# Altium PCB PCB1.PcbDoc
Units mm, origin at the board's own origin, x right, y up, seen from the top; angles counter-clockwise.
Board outline 100.13 x 59.87 mm, 2 copper layers (Top Layer, Bottom Layer); 152 components, 63 nets, 403 pads, 72 vias.
Unrouted connection lines stored in the file: 55.
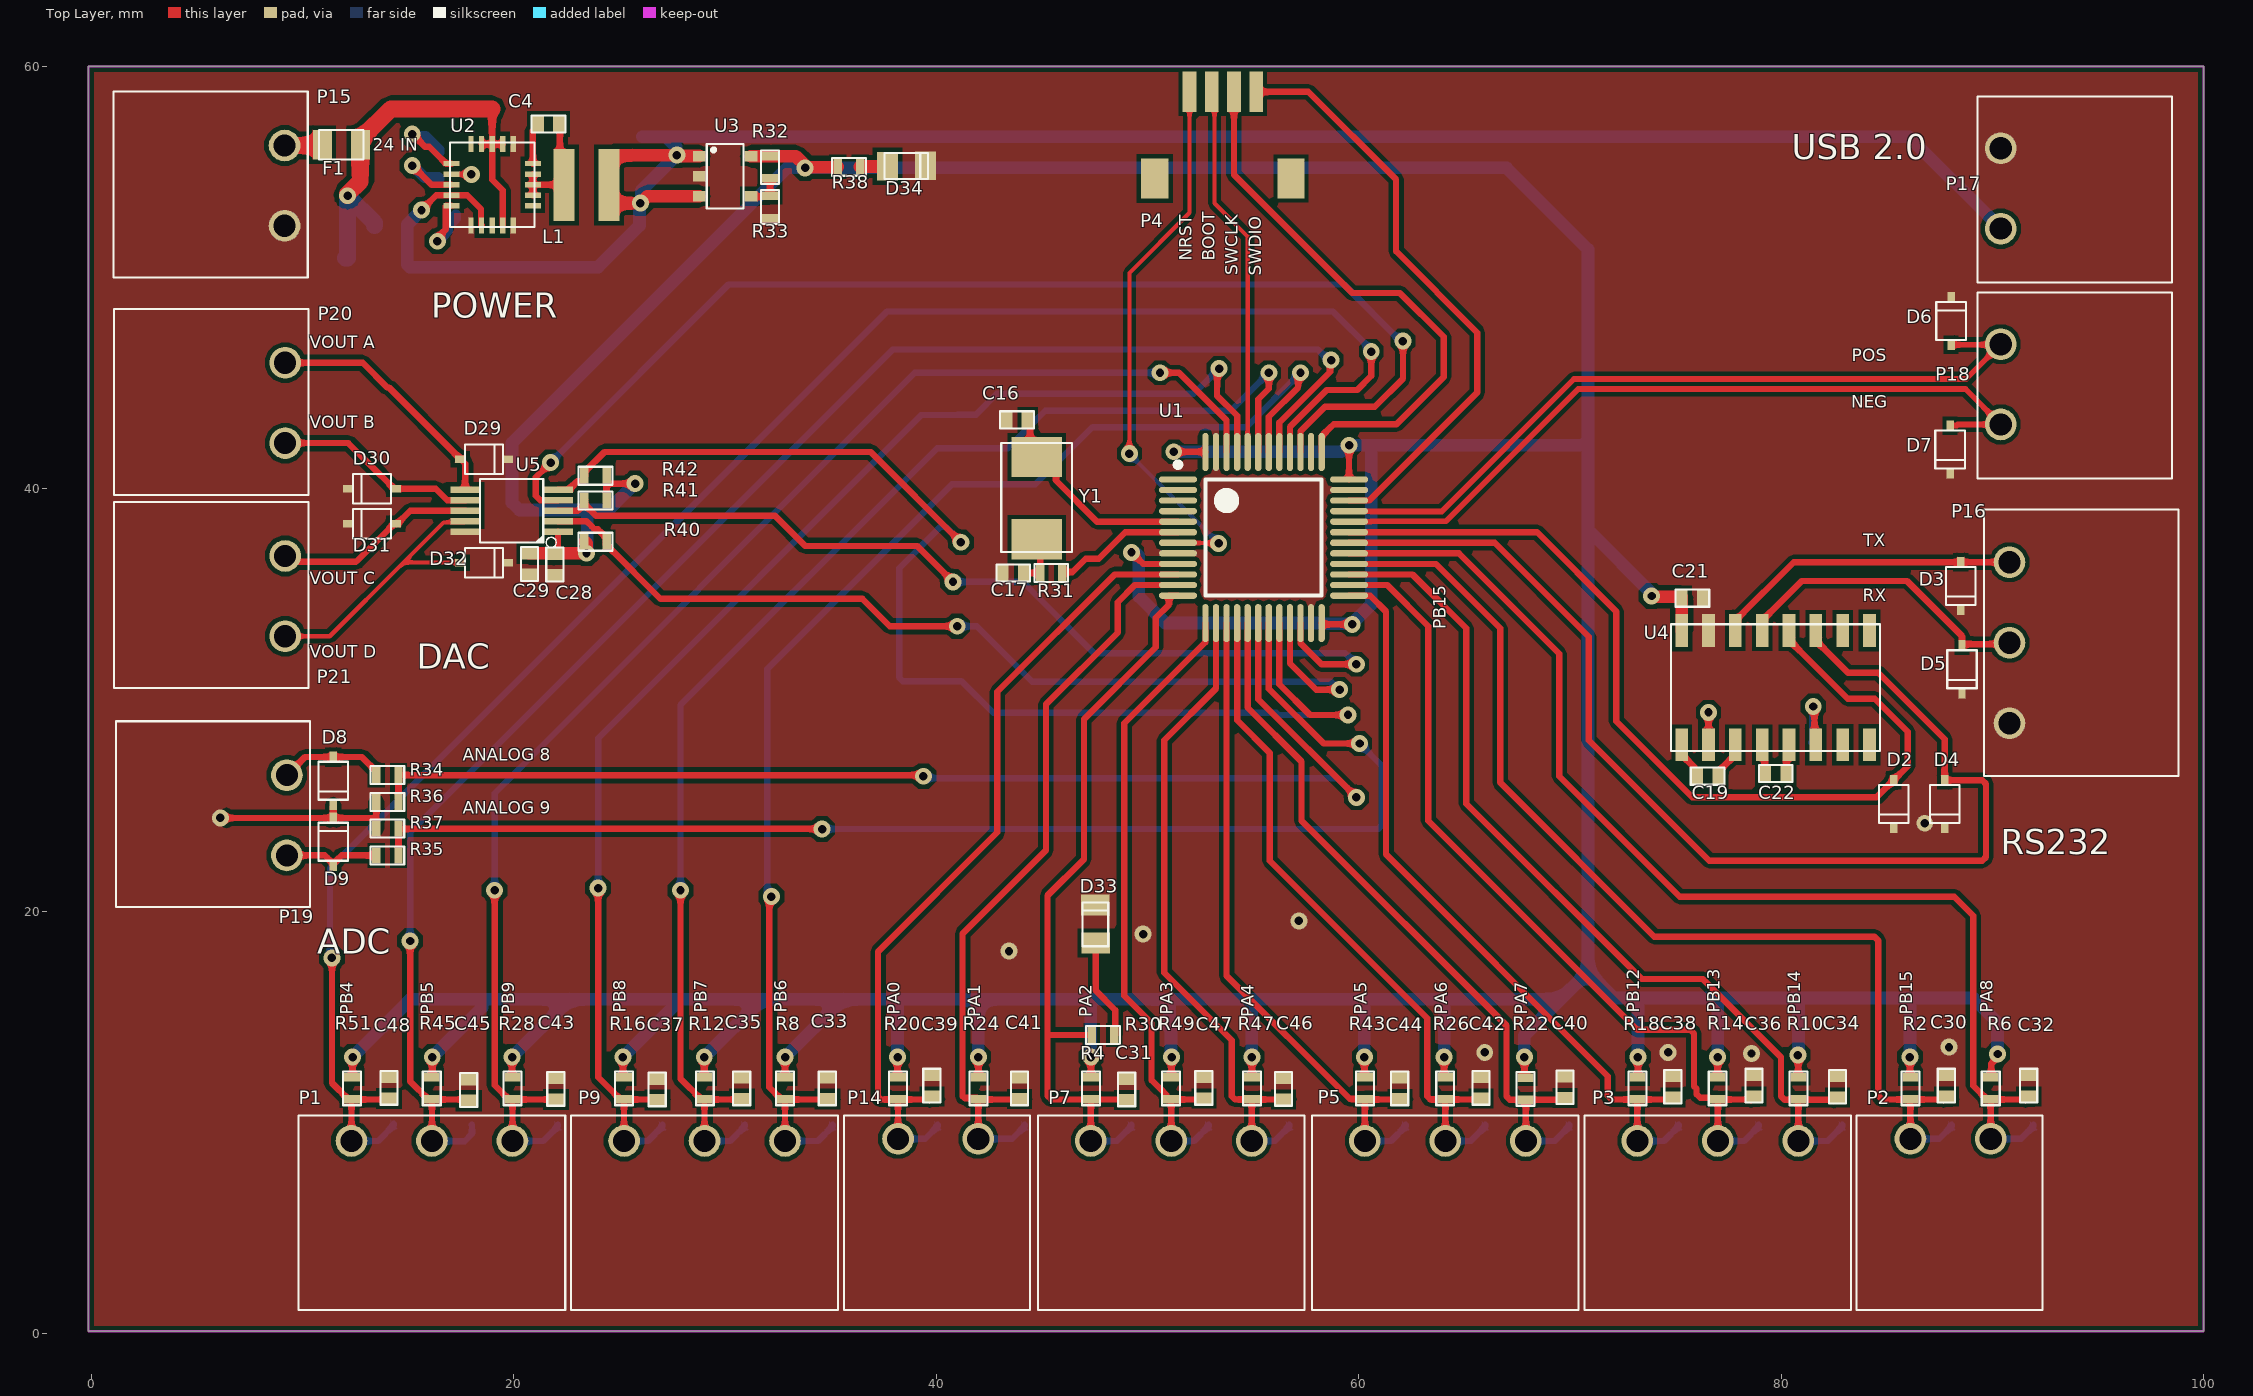
[diagram p0: Top Layer view]
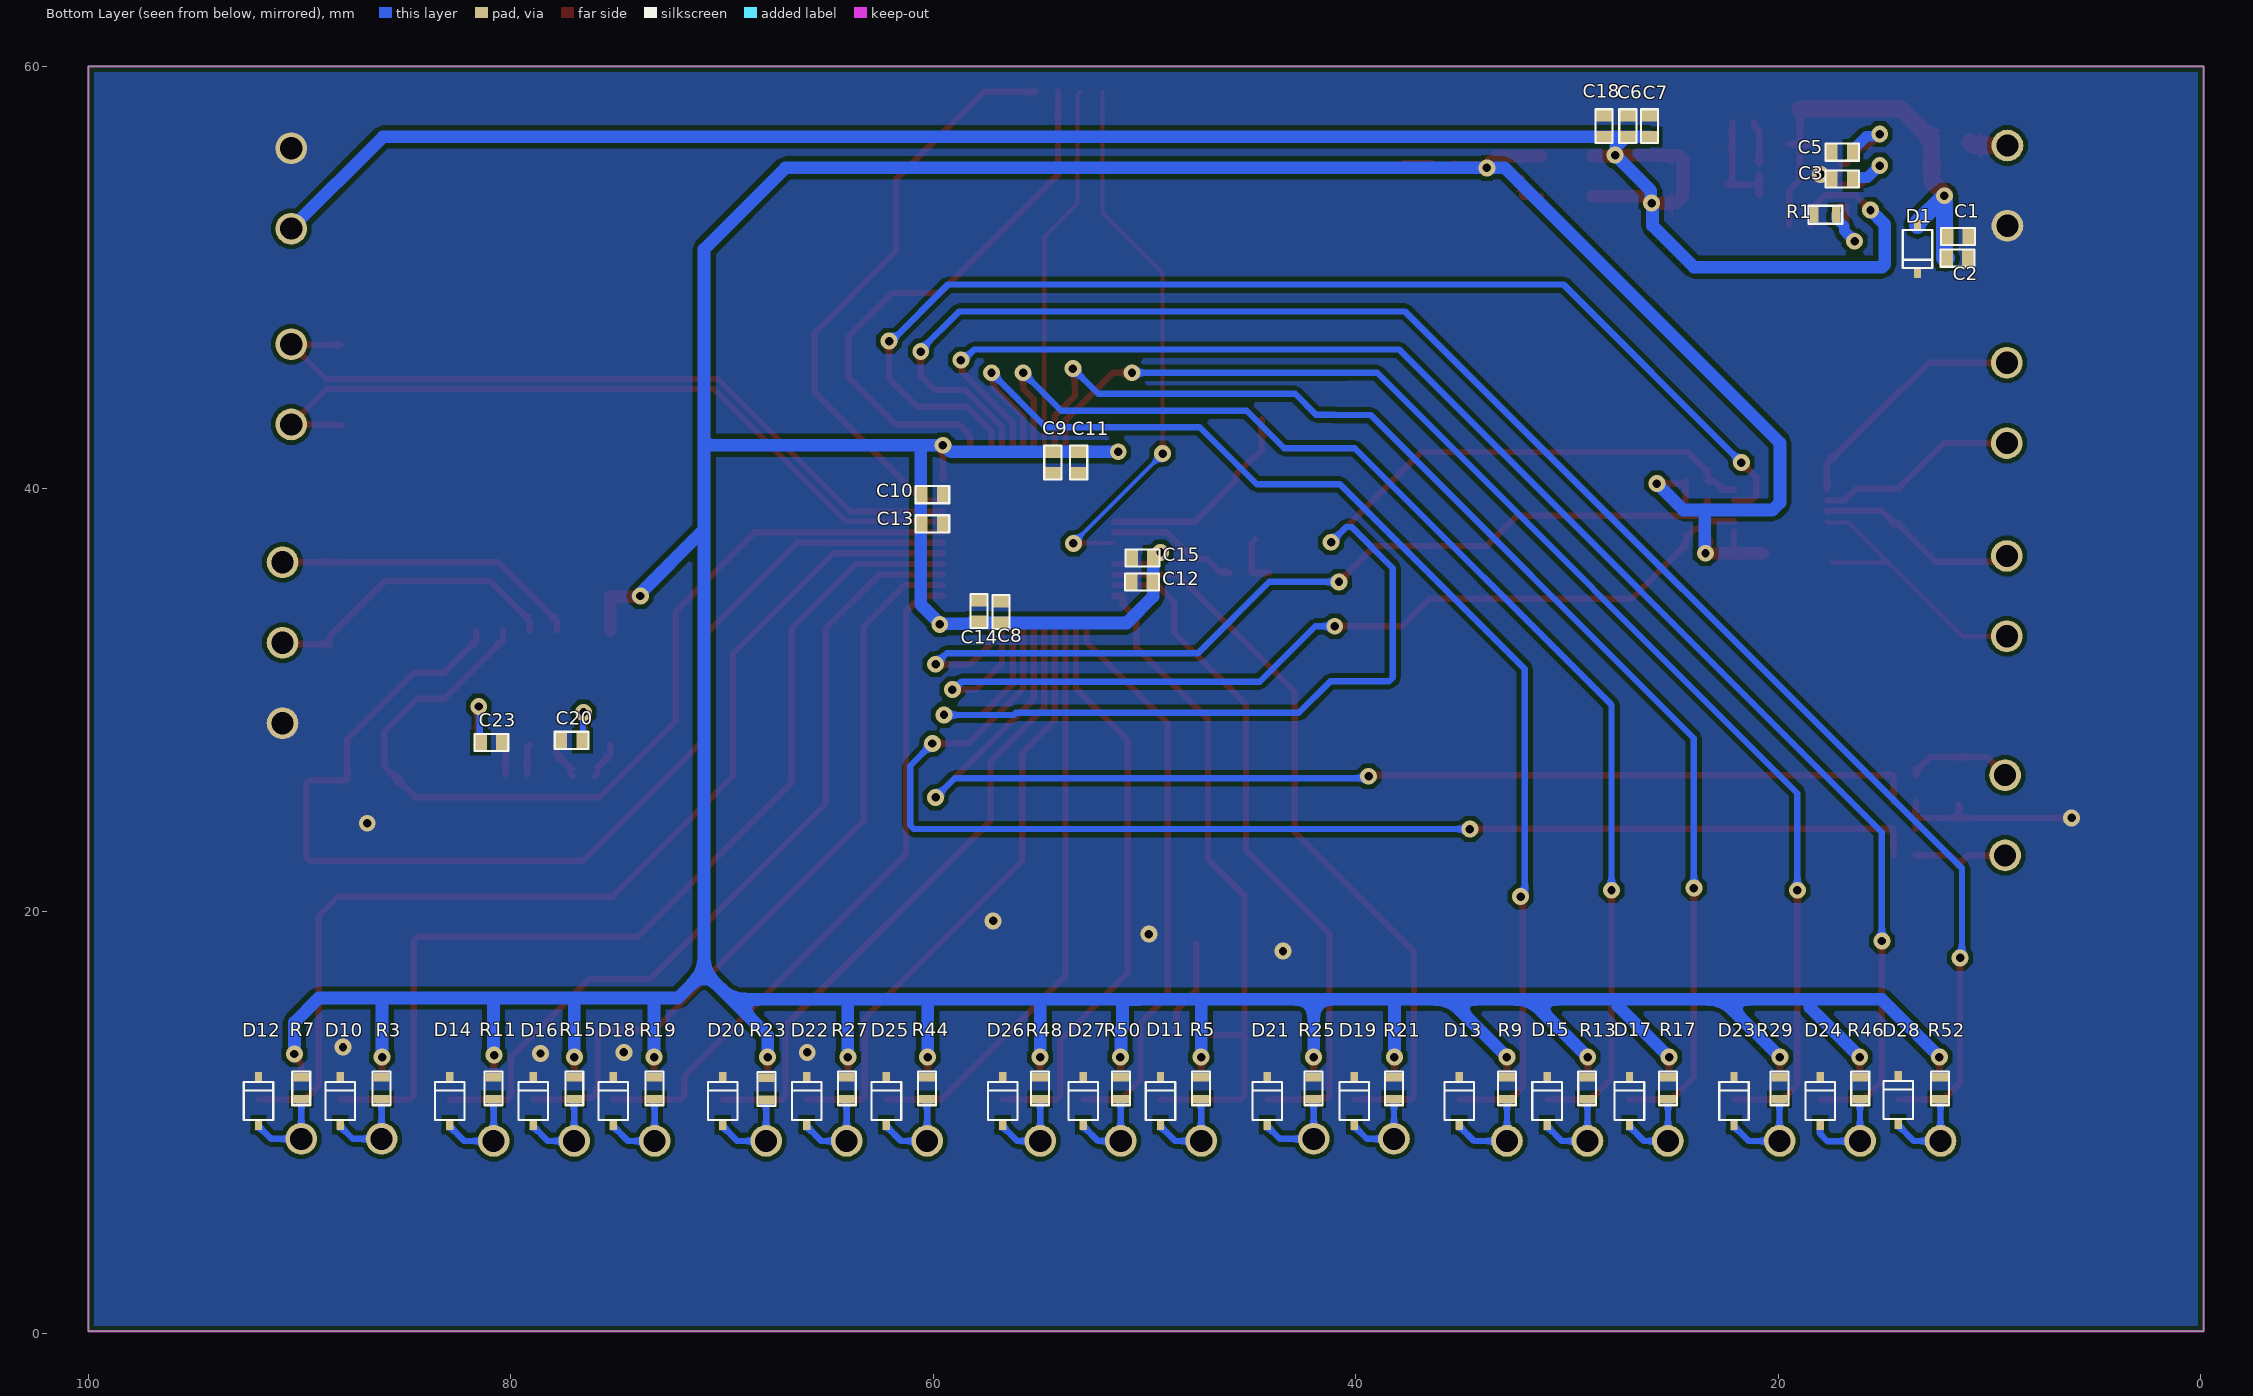
[diagram p1: Bottom Layer view, seen from below]
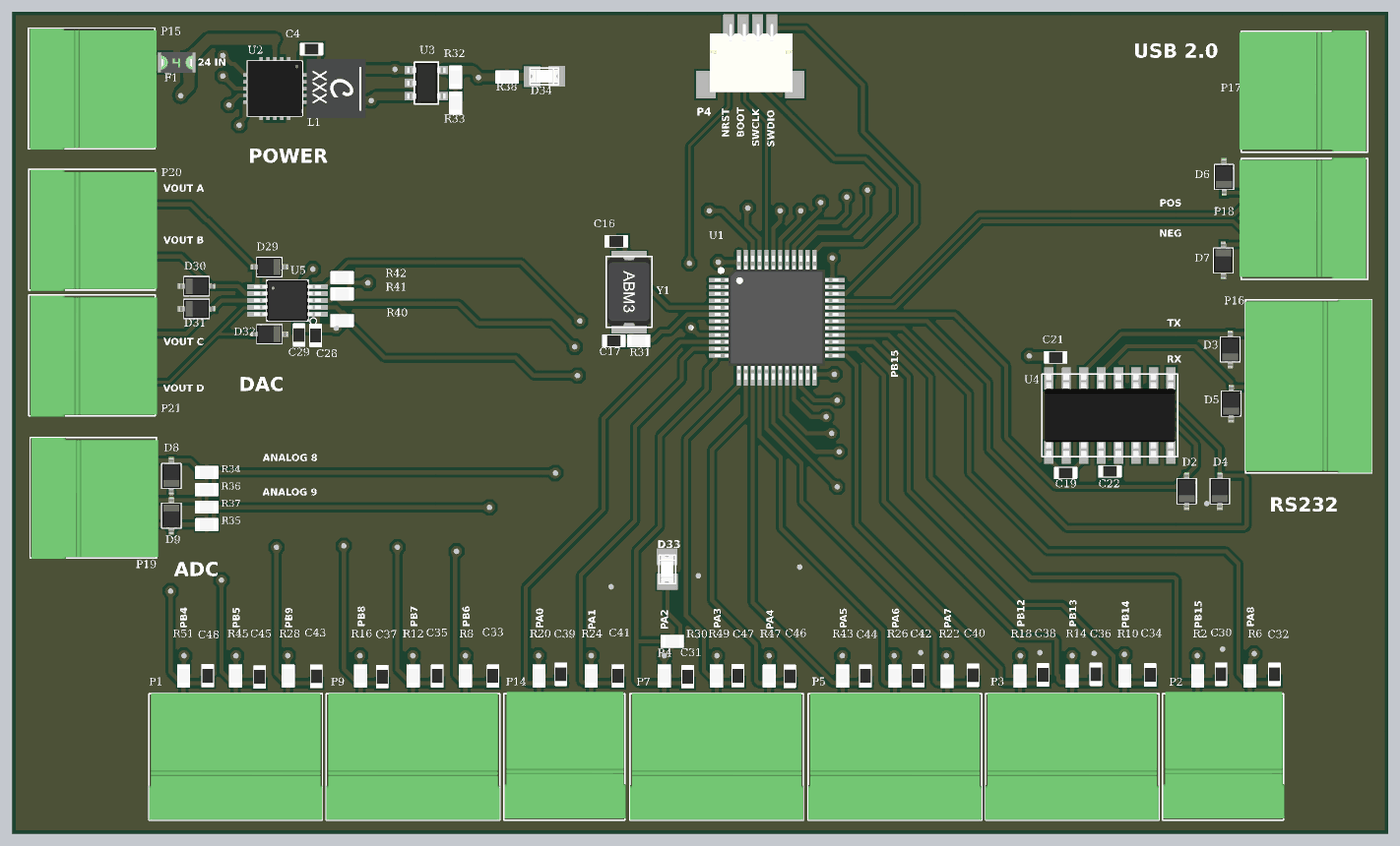
[diagram p2: 3D render of the assembled board from above, using the file's embedded part models]
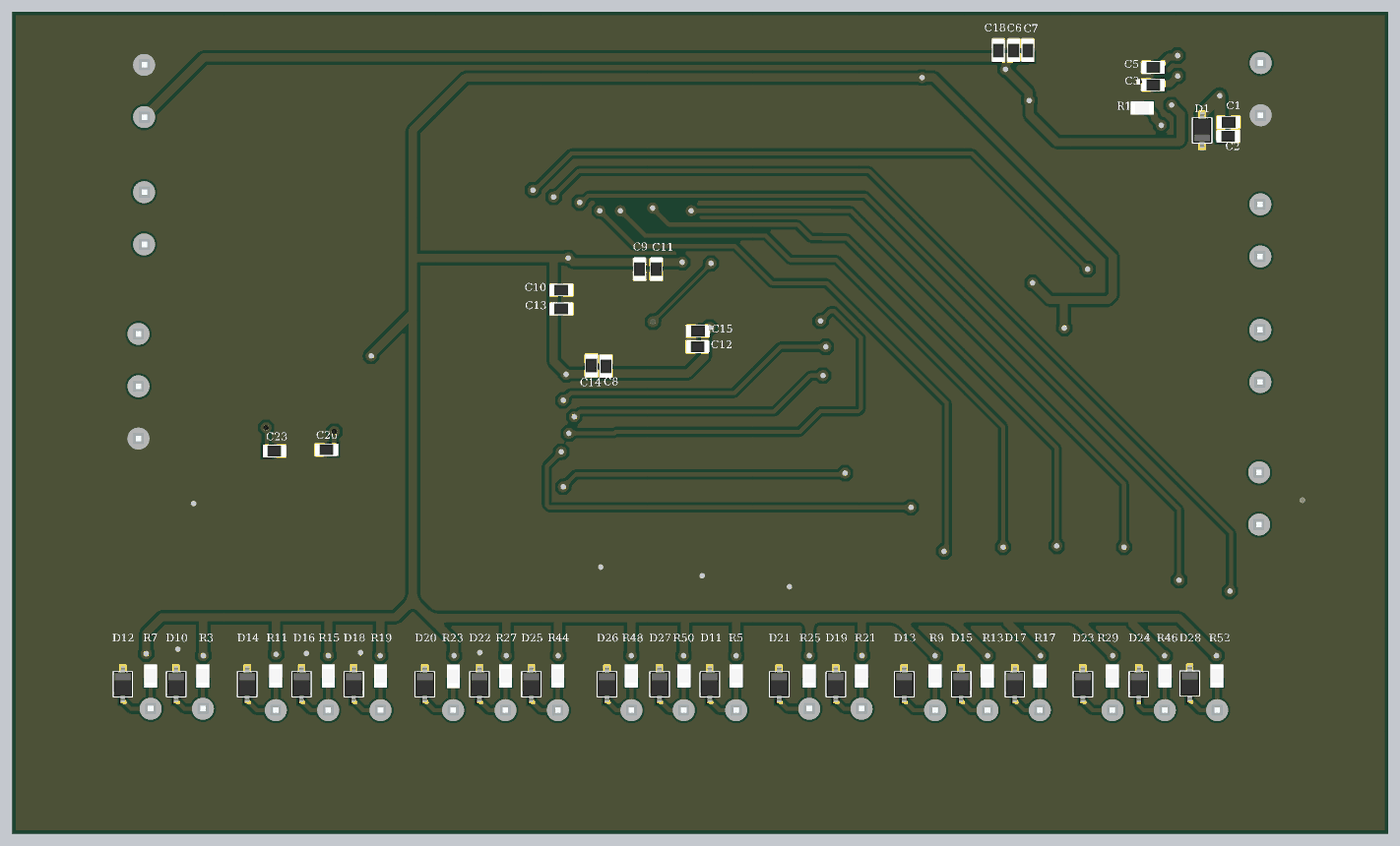
[diagram p3: 3D render of the assembled board from below, using the file's embedded part models]

## Layer stack, top to bottom
Top Solder: solder mask 0.0102, Solder Resist, Dk 3.5
Top Layer: signal copper 0.105
Dielectric 1: dielectric 0.32, FR-4, Dk 4.8
Bottom Layer: signal copper 0.105
Bottom Solder: solder mask 0.0102, Solder Resist, Dk 3.5

## Board outline
-0.127,0.127 -0.127,60 100,60 100,0.127

## Design rules (kind name [scope] priority, off if disabled: settings)
Clearance [All] p1: gap=0.2 ignorepadtopadclearanceinfootprint=TRUE
ComponentClearance [All] p1: gap=0.2 collisioncheckmode=3 verticalgap=0.2 showdistances=FALSE
DiffPairsRouting [All] p1: maxlimit=0.2 minlimit=0.2 mostfreqgap=0.2 toplayer_minwidth=0.271 toplayer_maxwidth=0.271 toplayer_prefwidth=0.271 bottomlayer_minwidth=0.271 bottomlayer_maxwidth=0.271 bottomlayer_prefwidth=0.271 impedanceprofiledriven=TRUE impedanceprofileid={B7A45BCC-3A3A-4B84-81AB-FE915B9B1FC7} impedanceprofilevalue=90.000000 maxuncoupledlength=12.7
HoleSize [All] p1: absolutevalues=TRUE maxlimit=2.54 minlimit=0.4 maxpercent=80.000 minpercent=20.000
HoleToHoleClearance [All] p1: gap=0.2 allowstackedmicrovias=TRUE
MinimumSolderMaskSliver [All] p1: minsoldermaskwidth=0.1
PasteMaskExpansion [All] p1: expansion=0 thpadusetoppaste=TRUE
PlaneConnect [All] p1: planeconnectstyle=Direct reliefexpansion=0.508 reliefentries=4 reliefconductorwidth=0.254 reliefairgap=0.254
PolygonConnect [All] p1: connectstyle=Direct reliefconductorwidth=0.254 reliefentries=2 polygonreliefangle="90 Angle" airgapwidth=0.254
RoutingCorners [All] p1: cornerstyle=45-Degree minsetback=2 maxsetback=2
RoutingVias [All] p1: holewidth=0.8 width=0.8 viastyle="Through Hole" minholewidth=0.4 minwidth=0.7 maxholewidth=2 maxwidth=2
SilkToSilkClearance [All] p1: silktosilkclearance=0
SilkToSolderMaskClearance [IsPad] p1: minsilkscreentomaskgap=0 clearancetoexposedcopper=TRUE
SolderMaskExpansion [All] p1: expansion=0.102 istentingtop=TRUE useseparateexpansions=TRUE expansionbottom=0.102 istentingbottom=TRUE
SupplyNets "Schematic Supply Nets_3" [InNet('3V3')] p1: voltage=0.000
SupplyNets "Schematic Supply Nets_2" [InNet('GND')] p2: voltage=0.000
SupplyNets "Schematic Supply Nets_1" [InNet('+24V')] p3: voltage=0.000
SupplyNets "Schematic Supply Nets" [InNet('5V OUT')] p4: voltage=0.000
UnRoutedNet [All] p1: checkbadconnections=TRUE
UnpouredPolygon [All] p1: allowunpoured=TRUE allowshelved=TRUE
Width [All] p1: maxlimit=10 minlimit=0.2 preferedwidth=0.2
18 further rules are at their usual default settings.

## Classes and differential pairs
component class USB: D6 D7 P17 P18
component class RS232: C19 C20 C21 C22 C23 D2 D3 D4 D5 P16 U4
component class Power: C1 C2 C3 C4 C5 C6 C7 C18 D1 D34 F1 L1 P15 R1 R32 R33 R38 U2 U3
component class Oscillators: C16 C17 R31 Y1
component class MCU: C8 C9 C10 C11 C12 C13 C14 C15 P4 U1
component class GPIO: C30 C31 C32 C33 C34 C35 C36 C37 C38 C39 C40 C41 C42 C43 C44 C45 C46 C47 C48 D10 D11 D12 D13 D14 D15 D16 D17 D18 D19 D20 D21 D22 D23 D24 D25 D26 D27 D28 D33 P1 P2 P3 P5 P7 P9 P14 R2 R3 R4 R5 R6 R7 R8 R9 R10 R11 R12 R13 R14 R15 R16 R17 R18 R19 R20 R21 R22 R23 R24 R25 R26 R27 R28 R29 R30 R43 R44 R45 R46 R47 R48 R49 R50 R51 R52
component class DAC: C28 C29 D29 D30 D31 D32 P20 P21 R40 R41 R42 U5
component class ADC: D8 D9 P19 R34 R35 R36 R37
differential pair USBD: +USBD_P -USBD_N

## Components (designator, comment, footprint, x,y, rotation, side; value= is the part's Value field where it differs from the comment)
C1 "0603 Capacitor" "0603 Cap"#1 11.5,51.95 r180 bottom value=4.7uF
C2 "0603 Capacitor" "0603 Cap"#1 11.525,50.925 r0 bottom value=4.7uF
C3 "0603 Capacitor" "0603 Cap"#1 16.979,54.675 r0 bottom value=5600pF
C4 "0603 Capacitor" "0603 Cap"#2 21.65,57.275 r180 top value=0.1uF
C5 "0603 Capacitor" "0603 Cap"#1 16.979,55.945 r0 bottom value=2.2uF
C6 "0603 Capacitor" "0603 Cap"#1 27.125,57.175 r90 bottom value=47uF
C7 "0603 Capacitor" "0603 Cap"#1 26.1,57.175 r90 bottom value=47uF
C8 "0603 Capacitor" "0603 Cap"#1 56.8,34.175 r90 bottom value=100nF
C9 "0603 Capacitor" "0603 Cap"#1 54.35,41.25 r270 bottom value=100nF
C10 "0603 Capacitor" "0603 Cap"#1 60.05,39.725 r180 bottom value=100nF
C11 "0603 Capacitor" "0603 Cap"#1 53.125,41.25 r270 bottom value=100nF
C12 "0603 Capacitor" "0603 Cap"#1 50.125,35.6 r0 bottom value=100nF
C13 "0603 Capacitor" "0603 Cap"#1 60.05,38.35 r180 bottom value=4.7uF
C14 "0603 Capacitor" "0603 Cap"#1 57.85,34.225 r270 bottom value=10nF
C15 "0603 Capacitor" "0603 Cap"#1 50.106,36.731 r0 bottom value=1uF
C16 "0603 Capacitor" "0603 Cap"#2 43.825,43.275 r180 top value=10pF
C17 "0603 Capacitor" "0603 Cap"#2 43.65,36.025 r180 top value=10pF
C18 "0603 Capacitor" "0603 Cap"#1 28.25,57.175 r90 bottom value=2.2uF
C19 "0603 Capacitor" "0603 Cap"#2 76.525,26.4 r0 top value=100nF
C20 "0603 Capacitor" "0603 Cap"#1 77.125,28.1 r0 bottom value=100nF
C21 "0603 Capacitor" "0603 Cap"#2 75.8,34.825 r0 top value=100nF
C22 "0603 Capacitor" "0603 Cap"#2 79.75,26.525 r0 top value=100nF
C23 "0603 Capacitor" "0603 Cap"#1 80.925,28 r180 bottom value=100nF
C28 "0603 Capacitor" "0603 Cap"#2 21.95,36.425 r270 top value=100nF
C29 "0603 Capacitor" "0603 Cap"#2 20.75,36.45 r270 top value="10uF (tantalium recomm)"
C30 "0603 Capacitor" "0603 Cap"#2 87.825,11.75 r90 top value=100nF
C31 "0603 Capacitor" "0603 Cap"#2 49.025,11.575 r90 top value=100nF
C32 "0603 Capacitor" "0603 Cap"#2 91.725,11.75 r90 top value=100nF
C33 "0603 Capacitor" "0603 Cap"#2 34.85,11.625 r90 top value=100nF
C34 "0603 Capacitor" "0603 Cap"#2 82.675,11.7 r90 top value=100nF
C35 "0603 Capacitor" "0603 Cap"#2 30.8,11.625 r90 top value=100nF
C36 "0603 Capacitor" "0603 Cap"#2 78.725,11.75 r90 top value=100nF
C37 "0603 Capacitor" "0603 Cap"#2 26.8,11.575 r90 top value=100nF
C38 "0603 Capacitor" "0603 Cap"#2 74.875,11.7 r90 top value=100nF
C39 "0603 Capacitor" "0603 Cap"#2 39.8,11.75 r90 top value=100nF
C40 "0603 Capacitor" "0603 Cap"#2 69.775,11.675 r90 top value=100nF
C41 "0603 Capacitor" "0603 Cap"#2 43.95,11.625 r90 top value=100nF
C42 "0603 Capacitor" "0603 Cap"#2 65.8,11.65 r90 top value=100nF
C43 "0603 Capacitor" "0603 Cap"#2 22,11.6 r90 top value=100nF
C44 "0603 Capacitor" "0603 Cap"#2 61.95,11.625 r90 top value=100nF
C45 "0603 Capacitor" "0603 Cap"#2 17.875,11.55 r90 top value=100nF
C46 "0603 Capacitor" "0603 Cap"#2 56.45,11.6 r90 top value=100nF
C47 "0603 Capacitor" "0603 Cap"#2 52.675,11.65 r90 top value=100nF
C48 "0603 Capacitor" "0603 Cap"#2 14.1,11.65 r90 top value=100nF
D1 "TVS" "0805 TVS DIODE"#1 12.715,50.452 r90 bottom
D2 "TVS" "0805 TVS DIODE"#2 86.029,24.183 r90 top
D3 "TVS" "0805 TVS DIODE"#2 89.204,34.506 r90 top
D4 "TVS" "0805 TVS DIODE"#2 88.442,24.183 r90 top
D5 "TVS" "0805 TVS DIODE"#2 89.266,30.562 r90 top
D6 "TVS" "0805 TVS DIODE"#3 88.748,48.856 r270 top
D7 "TVS" "0805 TVS DIODE"#3 87.3,40.975 r90 top
D8 "TVS" "0805 TVS DIODE"#2 12.156,25.284 r90 top
D9 "TVS" "0805 TVS DIODE"#2 10.756,24.199 r270 top
D10 "TVS" "0805 TVS DIODE"#1 88.775,11.925 r270 bottom
D11 "TVS" "0805 TVS DIODE"#1 49.95,11.925 r270 bottom
D12 "TVS" "0805 TVS DIODE"#1 92.65,11.925 r270 bottom
D13 "TVS" "0805 TVS DIODE"#1 35.8,11.925 r270 bottom
D14 "TVS" "0805 TVS DIODE"#1 83.6,11.925 r270 bottom
D15 "TVS" "0805 TVS DIODE"#1 31.65,11.925 r270 bottom
D16 "TVS" "0805 TVS DIODE"#1 79.65,11.925 r270 bottom
D17 "TVS" "0805 TVS DIODE"#1 27.75,11.925 r270 bottom
D18 "TVS" "0805 TVS DIODE"#1 75.85,11.925 r270 bottom
D19 "TVS" "0805 TVS DIODE"#1 40.775,11.925 r270 bottom
D20 "TVS" "0805 TVS DIODE"#1 70.675,11.925 r270 bottom
D21 "TVS" "0805 TVS DIODE"#1 44.9,11.925 r270 bottom
D22 "TVS" "0805 TVS DIODE"#1 66.7,11.925 r270 bottom
D23 "TVS" "0805 TVS DIODE"#1 22.8,11.925 r270 bottom
D24 "TVS" "0805 TVS DIODE"#1 18.725,11.925 r270 bottom
D25 "TVS" "0805 TVS DIODE"#1 62.925,11.925 r270 bottom
D26 "TVS" "0805 TVS DIODE"#1 57.425,11.925 r270 bottom
D27 "TVS" "0805 TVS DIODE"#1 53.6,11.925 r270 bottom
D28 "TVS" "0805 TVS DIODE"#1 15.025,11.975 r270 bottom
D29 "TVS" "0805 TVS DIODE"#2 19.491,42.104 r180 top
D30 "TVS" "0805 TVS DIODE"#2 12.393,39.307 r0 top
D31 "TVS" "0805 TVS DIODE"#2 12.393,37.656 r0 top
D32 "TVS" "0805 TVS DIODE"#2 19.498,37.213 r180 top
D33 "LED" "0805 LED" 48.175,18.35 r90 top
D34 "LED" "0805 LED" 37.55,54.65 r0 top
F1 "Fuse" "0805 FUSE" 10.791,55.598 r0 top
L1 "8.2uH" XAL6060 24.763,56.093 r180 top
P1 "3-Pin Header" "WR-TBL 322 3H" 16.133,9.134 r180 top
P2 "2-Pin Header" "WR-TBL 322 2H" 88.023,5.834 r0 top
P3 "3-Pin Header" "WR-TBL 322 3H" 77.008,9.134 r180 top
P4 "4PIN HEADER" SM04B-SRSS-TB 50.625,53.775 r0 top
P5 "3-Pin Header" "WR-TBL 322 3H" 64.108,9.134 r180 top
P7 "3-Pin Header" "WR-TBL 322 3H" 51.133,9.134 r180 top
P9 "3-Pin Header" "WR-TBL 322 3H" 29.038,9.134 r180 top
P14 "2-Pin Header" "WR-TBL 322 2H" 40.098,5.834 r0 top
P15 "PCB Input" "WR-TBL 322 2H" 5.756,54.357 r270 top
P16 "RS232 Header 1" "WR-TBL 322 3H" 90.813,32.721 r270 top
P17 "2-Pin Header" "WR-TBL 322 2H" 93.803,54.224 r90 top
P18 "2-Pin Header" "WR-TBL 322 2H" 93.803,44.953 r90 top
P19 "ADC Input" "WR-TBL 322 2H" 5.868,24.551 r270 top
P20 "A/B" "WR-TBL 322 2H" 5.782,44.071 r270 top
P21 "C/D" "WR-TBL 322 2H" 5.782,34.927 r270 top
R1 "Resistor" "0603 RES"#1 16.979,53.405 r0 bottom value=51.1K
R2 "Resistor" "0603 RES"#2 85.7,12.425 r270 top value=10K
R3 "Resistor" "0603 RES"#1 85.7,10.825 r90 bottom value=10K
R4 "Resistor" "0603 RES"#2 46.9,12.425 r270 top value=10K
R5 "Resistor" "0603 RES"#1 46.9,10.825 r90 bottom value=10K
R6 "Resistor" "0603 RES"#2 89.5,12.425 r270 top value=10K
R7 "Resistor" "0603 RES"#1 89.5,10.825 r90 bottom value=10K
R8 "Resistor" "0603 RES"#2 32.425,12.425 r270 top value=10K
R9 "Resistor" "0603 RES"#1 32.425,10.825 r90 bottom value=10K
R10 "Resistor" "0603 RES"#2 80.4,12.425 r270 top value=10K
R11 "Resistor" "0603 RES"#1 80.4,10.825 r90 bottom value=10K
R12 "Resistor" "0603 RES"#2 28.625,12.425 r270 top value=10K
R13 "Resistor" "0603 RES"#1 28.625,10.825 r90 bottom value=10K
R14 "Resistor" "0603 RES"#2 76.575,12.425 r270 top value=10K
R15 "Resistor" "0603 RES"#1 76.575,10.825 r90 bottom value=10K
R16 "Resistor" "0603 RES"#2 24.8,12.425 r270 top value=10K
R17 "Resistor" "0603 RES"#1 24.8,10.825 r90 bottom value=10K
R18 "Resistor" "0603 RES"#2 72.775,12.425 r270 top value=10K
R19 "Resistor" "0603 RES"#1 72.775,10.825 r90 bottom value=10K
R20 "Resistor" "0603 RES"#2 37.775,12.425 r270 top value=10K
R21 "Resistor" "0603 RES"#1 37.775,10.825 r90 bottom value=10K
R22 "Resistor" "0603 RES"#2 67.475,12.4 r270 top value=10K
R23 "Resistor" "0603 RES"#1 67.475,10.8 r90 bottom value=10K
R24 "Resistor" "0603 RES"#2 41.575,12.425 r270 top value=10K
R25 "Resistor" "0603 RES"#1 41.575,10.825 r90 bottom value=10K
R26 "Resistor" "0603 RES"#2 63.675,12.425 r270 top value=10K
R27 "Resistor" "0603 RES"#1 63.675,10.825 r90 bottom value=10K
R28 "Resistor" "0603 RES"#2 19.525,12.425 r270 top value=10K
R29 "Resistor" "0603 RES"#1 19.525,10.825 r90 bottom value=10K
R30 "Resistor" "0603 RES"#2 47.1,13.725 r0 top value=220Ω
R31 "Resistor" "0603 RES"#2 44.65,35.6 r0 top value=100Ω
R32 "Resistor" "0603 RES"#2 31.715,56.027 r270 top value=3.9K
R33 "Resistor" "0603 RES"#2 32.565,52.552 r90 top value=2.2K
R34 "Resistor" "0603 RES"#2 14.825,26.876 r180 top value=1K
R35 "Resistor" "0603 RES"#2 14.825,23.076 r180 top value=1K
R36 "Resistor" "0603 RES"#2 14.825,25.609 r180 top value=2K
R37 "Resistor" "0603 RES"#2 14.825,24.343 r180 top value=2K
R38 "Resistor" "0603 RES"#2 35.075,54.825 r0 top value=220Ω
R40 "Resistor" "0603 RES"#2 23.075,37.075 r0 top value=5.6K
R41 "Resistor" "0603 RES"#2 24.675,39.875 r180 top value=5.6K
R42 "Resistor" "0603 RES"#2 24.675,41.05 r180 top value=100K
R43 "Resistor" "0603 RES"#2 59.875,12.425 r270 top value=10K
R44 "Resistor" "0603 RES"#1 59.875,10.825 r90 bottom value=10K
R45 "Resistor" "0603 RES"#2 15.7,12.425 r270 top value=10K
R46 "Resistor" "0603 RES"#1 15.7,10.825 r90 bottom value=10K